# Altium PCB RT_SUPER_C__HOST.pcbdoc
Units mil, origin at the board's own origin, x right, y up, seen from the top; angles counter-clockwise.
Board outline 6000.21 x 6000.21 mil, 4 copper layers (Top Layer, GND-SIG1, GND-SIG2, Bottom Layer), stack 61.156 mil thick; 63 components, 93 nets, 449 pads, 104 vias.
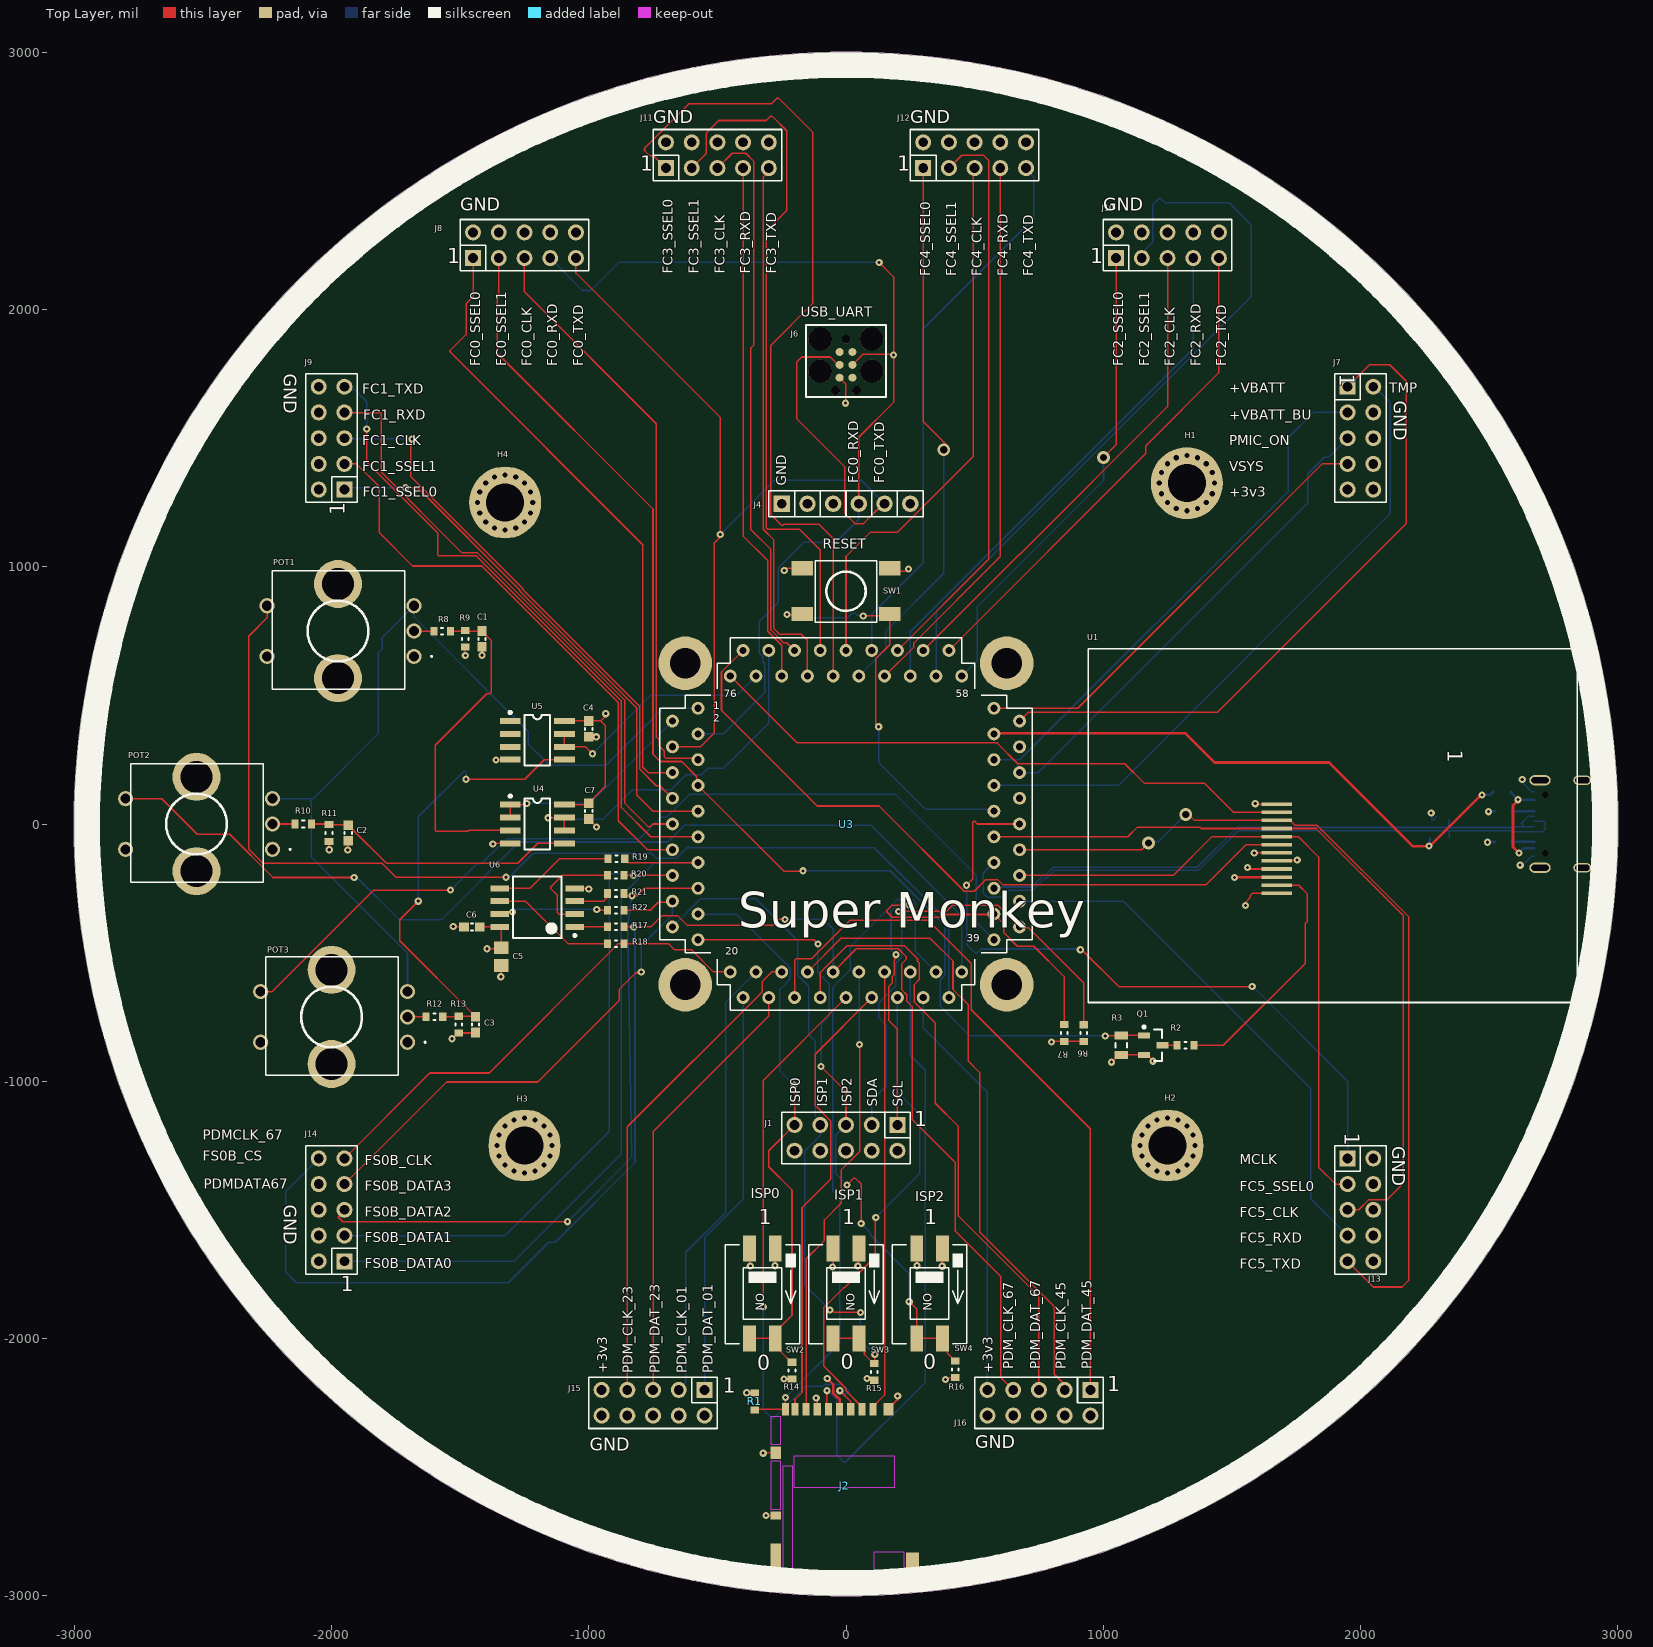
[diagram p0: Top Layer view]
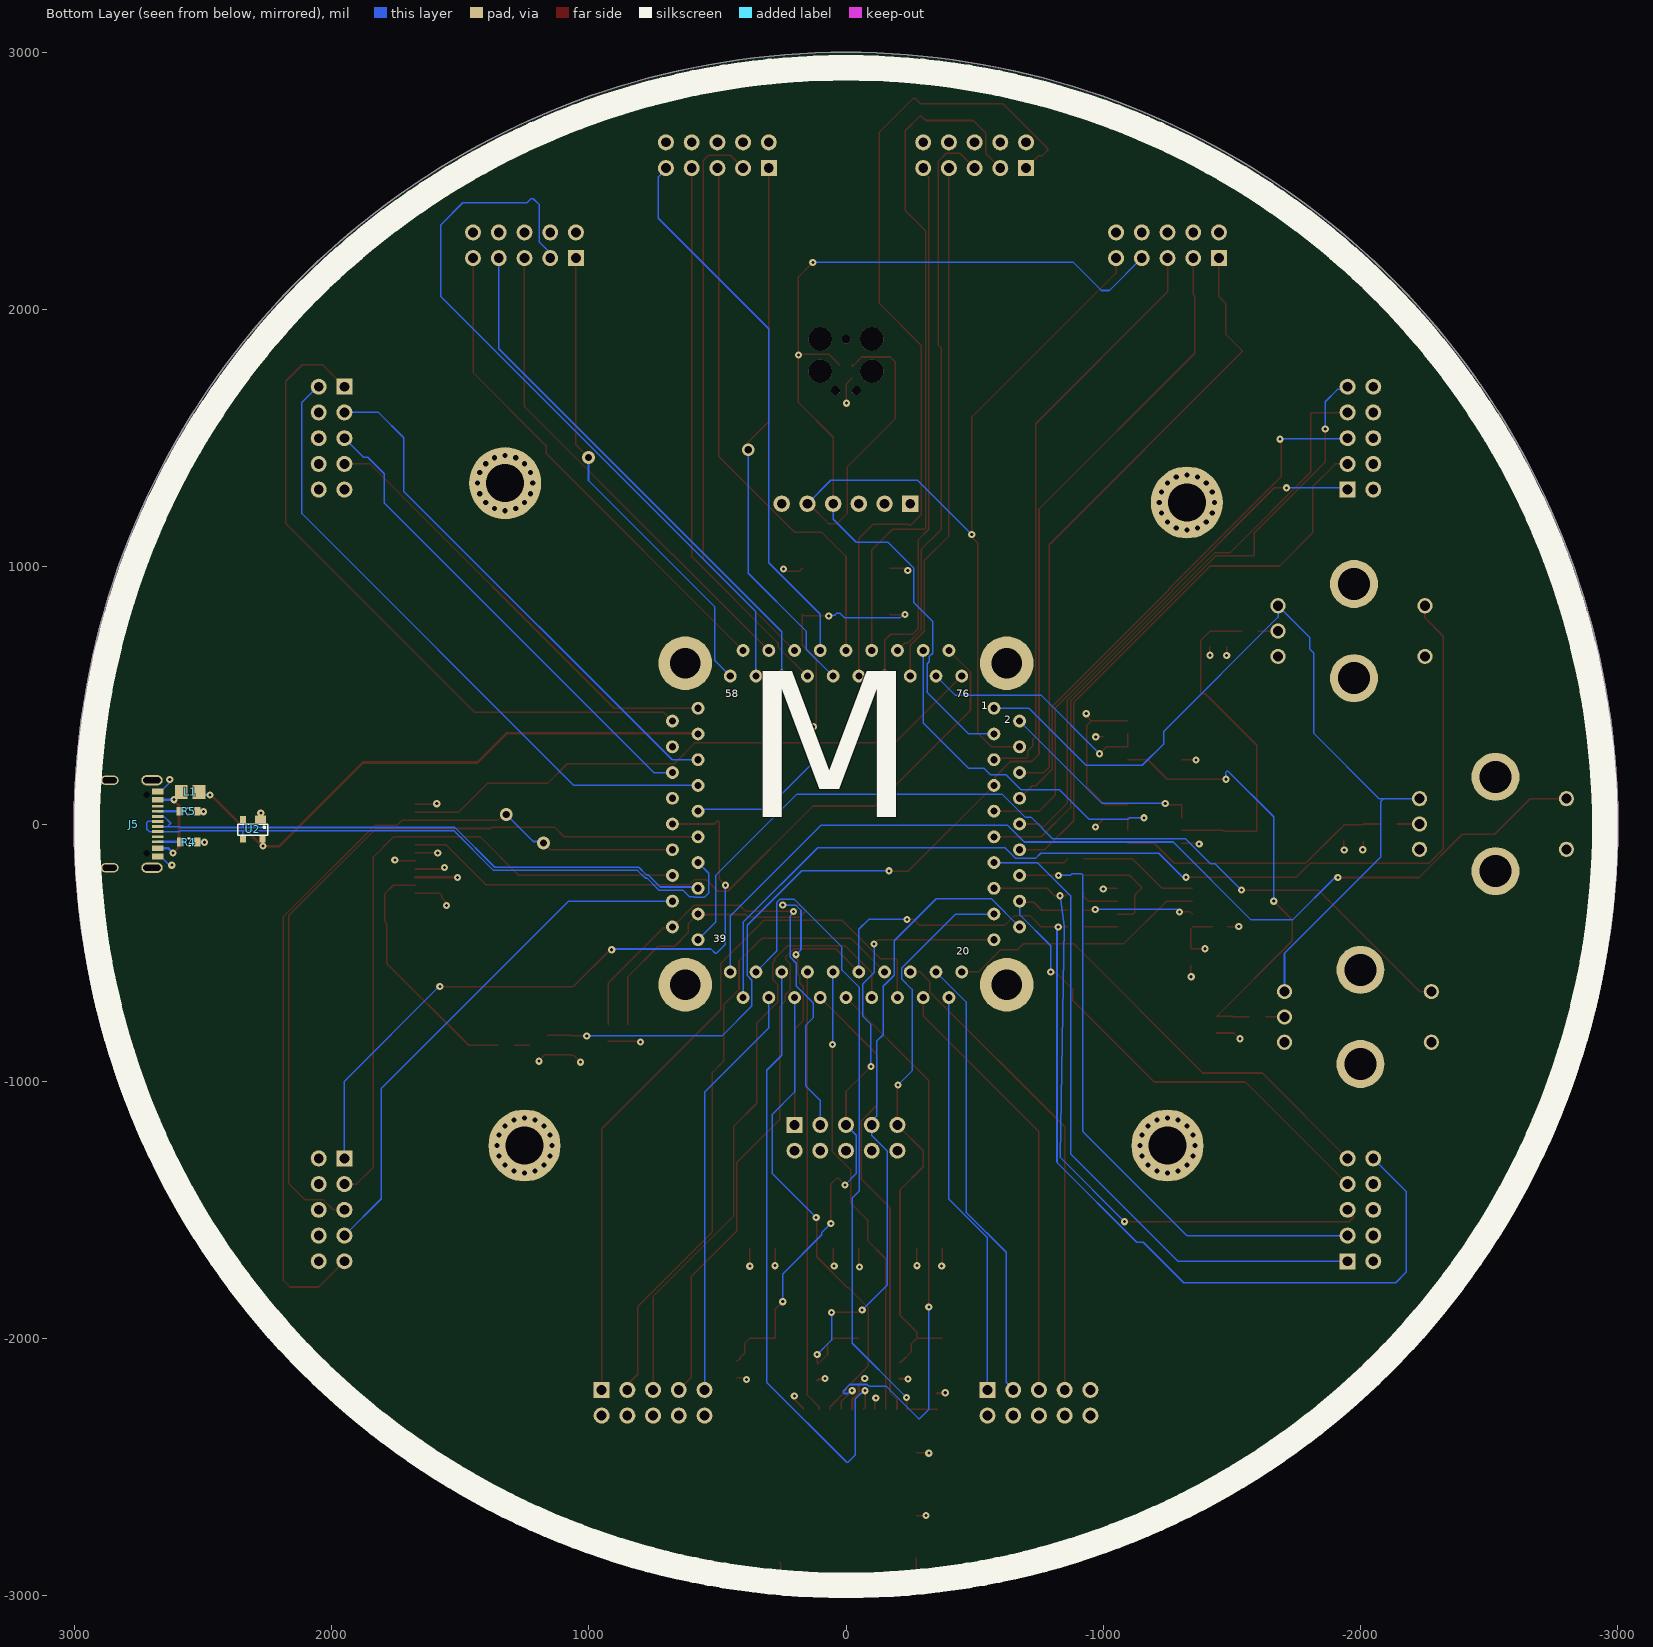
[diagram p1: Bottom Layer view, seen from below]
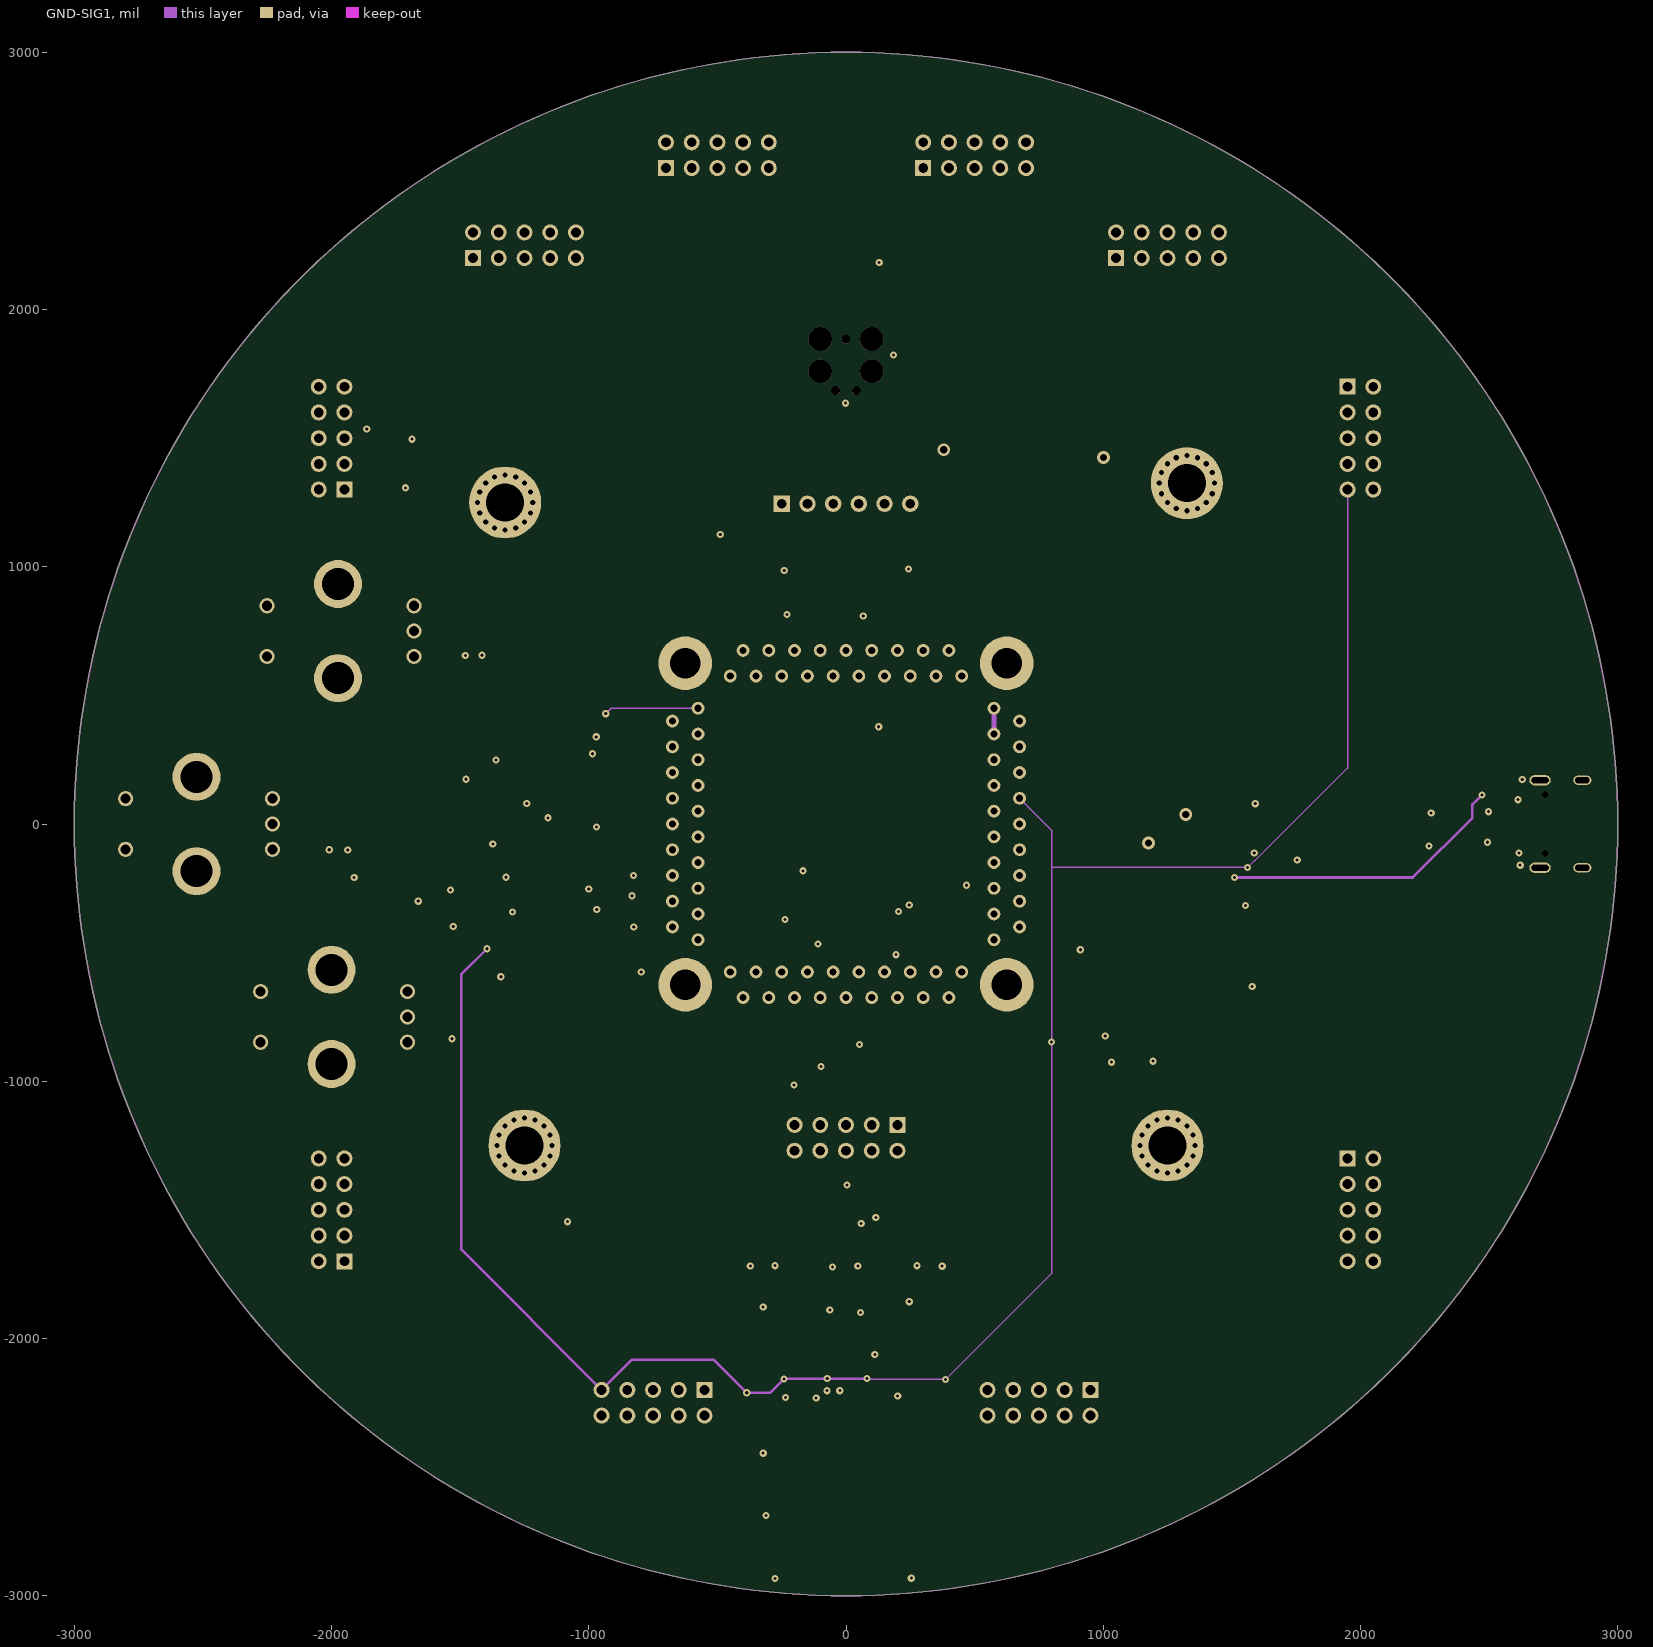
[diagram p2: GND-SIG1]
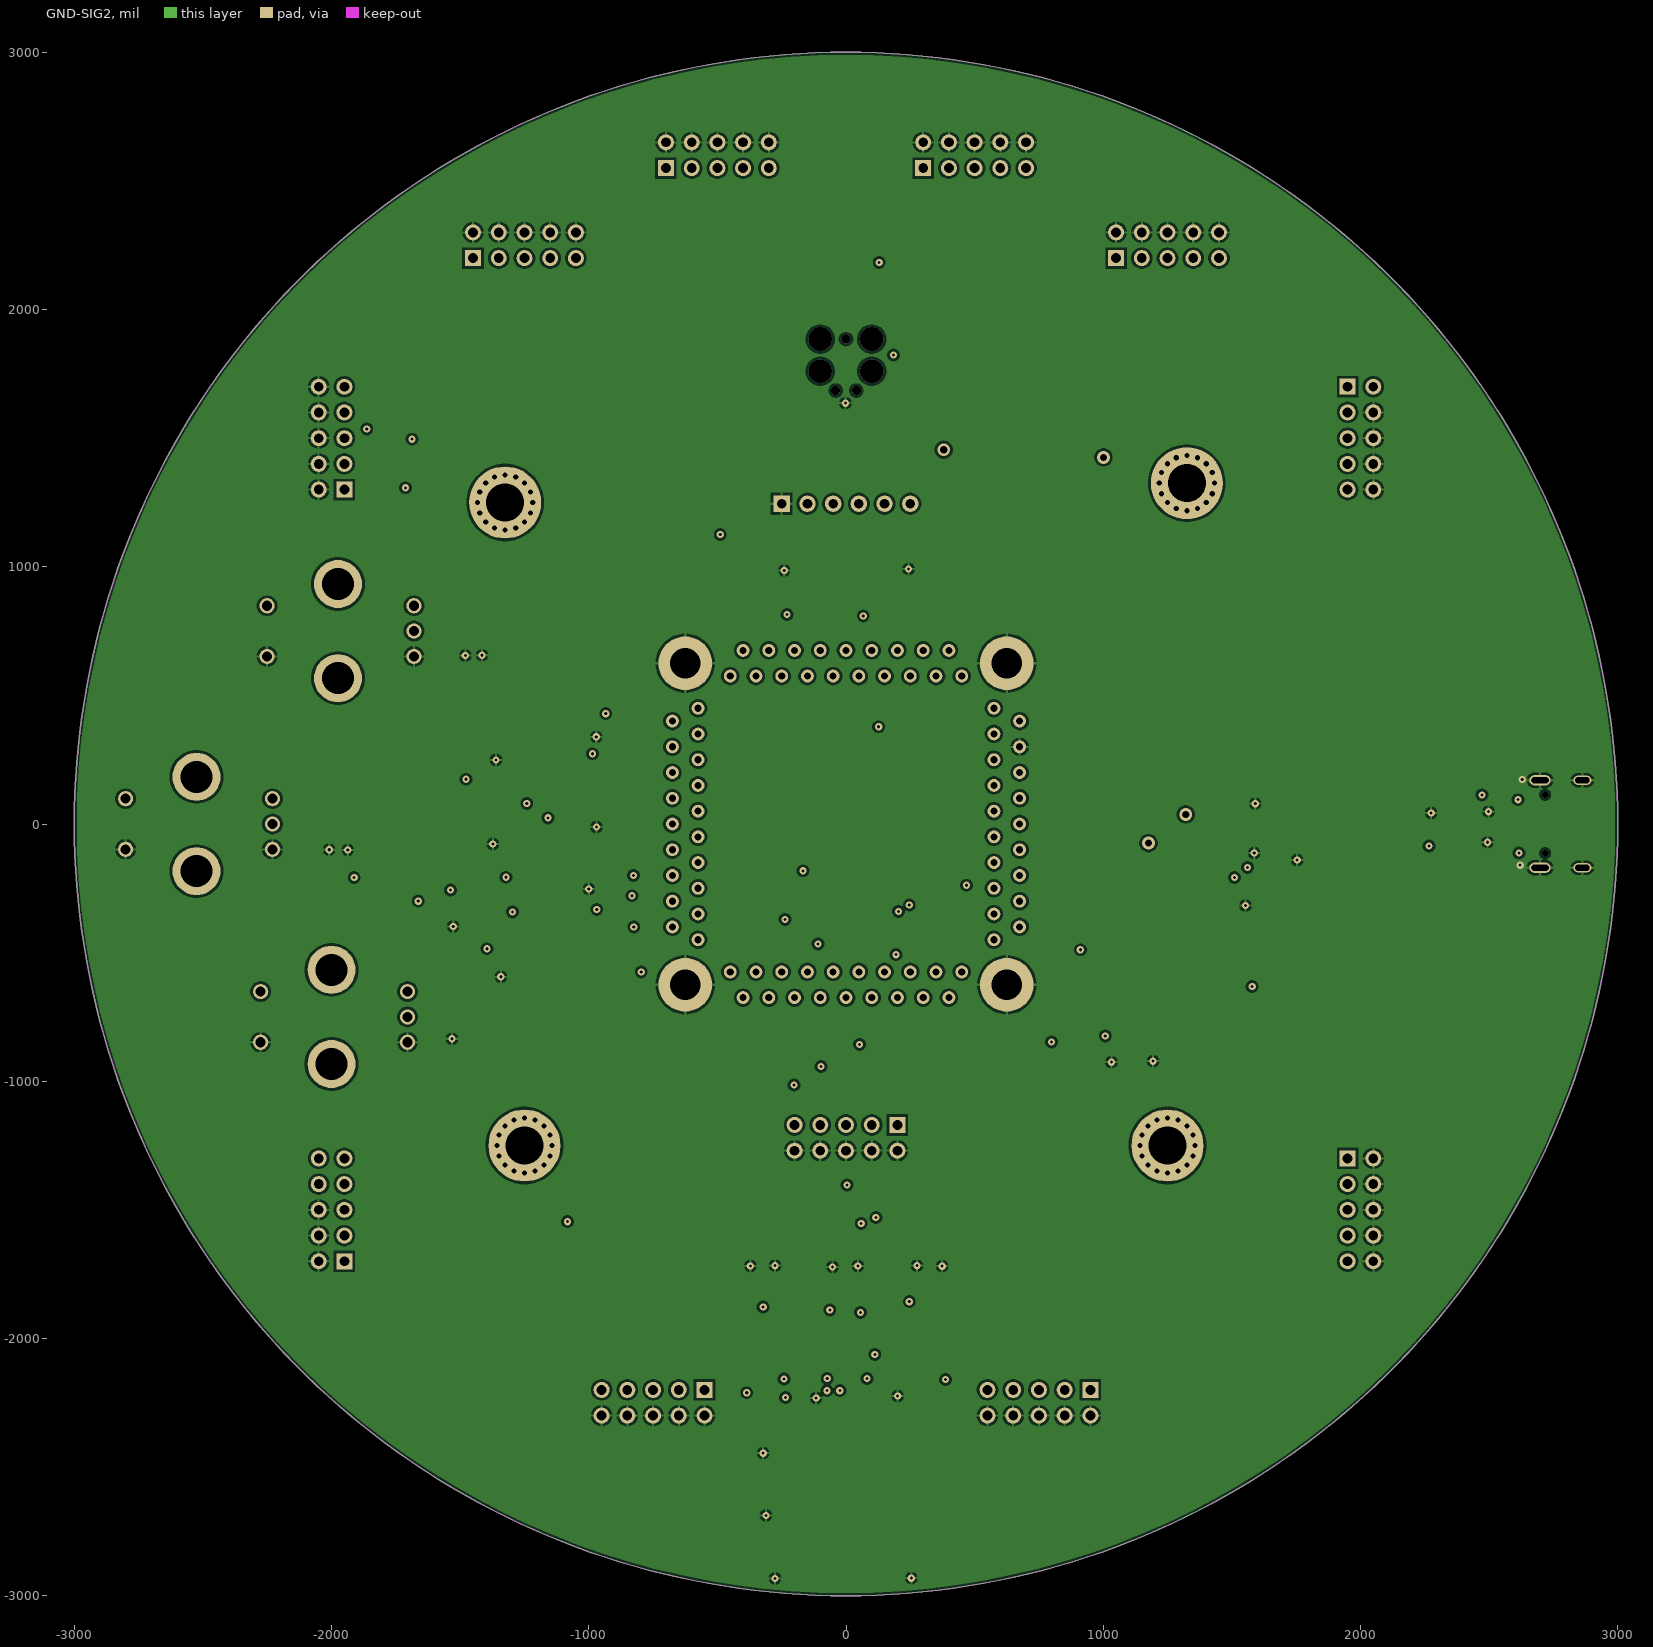
[diagram p3: GND-SIG2]

## Layer stack, top to bottom
Top Solder: solder mask 0.4, Solder Resist, Dk 3.5
Top Layer: signal copper 1.4
Dielectric 2: prepreg 2.8, PP-006, Dk 4.1
GND-SIG1: signal copper 1.378
Dielectric 1: dielectric 50, FR-4, Dk 4.8
GND-SIG2: signal copper 1.378
Dielectric 3: prepreg 2.8, PP-006, Dk 4.1
Bottom Layer: signal copper 1.4
Bottom Solder: solder mask 0.4, Solder Resist, Dk 3.5

## Board outline
-3000.1,0 ccw(c0,0) 0,-3000.1 ccw(c0,0) 3000.1,0 ccw(c0,0) 0,3000.1 ccw(c0,0)

## Design rules (kind name [scope] priority, off if disabled: settings)
Clearance [All] p1: gap=6 ignorepadtopadclearanceinfootprint=FALSE except(10: Arc-Poly Track-Poly SMDPad-Poly THPad-Poly Via-Poly Fill-Poly Poly-Poly)
DiffPairsRouting [All] p1: maxlimit=10 minlimit=6 mostfreqgap=6 toplayer_minwidth=6 toplayer_maxwidth=16 toplayer_prefwidth=6 midlayer1_minwidth=6 midlayer1_maxwidth=16 midlayer1_prefwidth=6 midlayer2_minwidth=6 midlayer2_maxwidth=16 midlayer2_prefwidth=6 bottomlayer_minwidth=6 bottomlayer_maxwidth=16 bottomlayer_prefwidth=6 maxuncoupledlength=500
Height [All] p1: minheight=0 maxheight=2000 prefheight=500
HoleSize [All] p1: absolutevalues=TRUE maxlimit=500 minlimit=1 maxpercent=80.000 minpercent=20.000
PolygonConnect [All] p1: connectstyle=Relief reliefconductorwidth=10 reliefentries=4 polygonreliefangle="90 Angle" airgapwidth=10
RoutingVias [All] p1: holewidth=12 width=28 viastyle="Through Hole" minholewidth=12 minwidth=28 maxholewidth=12 maxwidth=28
SolderMaskExpansion [All] p1: expansion=4 istentingtop=FALSE
Width [All] p1: maxlimit=30 minlimit=6 preferedwidth=6
27 further rules are at their usual default settings.

## Classes and differential pairs
differential pair USB: +USB_P -USB_N

## Components (designator, comment, footprint, x,y, rotation, side; value= is the part's Value field where it differs from the comment)
C1 "0.1µF" C0603_0.90MM_MD -1415,720 r90 top
C2 "0.1µF" C0603_0.90MM_MD -1935,-35 r90 top
C3 "0.1µF" C0603_0.90MM_MD -1440,-780 r90 top
C4 "0.1µF" C0603_0.90MM_MD -1000,370 r90 top
C5 "4.7µF" C0805_1.45MM_MD -1340,-515.55 r90 top
C6 "0.1µF" C0603_0.90MM_MD -1454.49,-400 r0 top
C7 "0.1µF" C0603_0.90MM_MD -1000,50 r90 top
H1 "*" "6-32 X 250" 1325,1325 r180 top value=6-32
H2 "*" "6-32 X 250" 1250,-1250 r180 top value=6-32
H3 "*" "6-32 X 250" -1250,-1250 r180 top value=6-32
H4 "*" "6-32 X 250" -1325,1250 r180 top value=6-32
J1 "HDR_2x5" "HEADER 2x5 .100\"" 0,-1220 r180 top
J2 "DM3AT-SF-PEJM5" DM3AT-SF-PEJM5 -21.06,-2906.89 r0 top
J4 "TSM-106-01-T-SV" 0901200126 0,1245 r0 top
J5 "=Value" 12402012E212A 2965,0 r270 bottom
J6 "TC2030‐CTL‐NL" TC2030 -160,1945 r270 top
J7 "HDR_2x5" "HEADER 2X5 .100\"" 2000,1500 r270 top
J8 "HDR_2x5" "HEADER 2X5 .100\"" -1250,2250 r0 top
J9 "HDR_2x5" "HEADER 2X5 .100\"" -2000,1500 r90 top
J10 "HDR_2x5" "HEADER 2X5 .100\"" 1250,2250 r0 top
J11 "HDR_2x5" "HEADER 2X5 .100\"" -500,2600 r0 top
J12 "HDR_2x5" "HEADER 2X5 .100\"" 500,2600 r0 top
J13 "HDR_2x5" "HEADER 2X5 .100\"" 2000,-1500 r270 top
J14 "HDR_2x5" "HEADER 2X5 .100\"" -2000,-1500 r90 top
J15 "HDR_2x5" "HEADER 2X5 .100\"" -750,-2250 r180 top
J16 "HDR_2x5" "HEADER 2X5 .100\"" 750,-2250 r180 top
L1 "CBC2012T4R7M" C0805_1.45MM_MD 2550,125 r180 bottom
POT1 "PRS11R-425F-S103B1" PRS11R425FS103B1 -1975,750 r90 top
POT2 "PRS11R-425F-S103B1" PRS11R425FS103B1 -2525,0 r90 top
POT3 "PRS11R-425F-S103B1" PRS11R425FS103B1 -2000,-750 r90 top
Q1 "FDV305N" SOT-23 1194.57,-860 r0 top
R1 "100k" R0603_0.55MM_MD -355,-2245 r90 top
R2 "33" R0603_0.55MM_MD 1320,-860 r0 top
R3 "100k" R0805_0.65MM_MD 1070,-860 r270 top value=1k
R4 "5.1k" R0603_0.55MM_MD 2555,-70 r0 bottom
R5 "5.1k" R0603_0.55MM_MD 2556,50 r0 bottom
R6 "2.2k" R0603_0.55MM_MD 925,-813 r90 top
R7 "2.2k" R0603_0.55MM_MD 848,-812.52 r90 top
R8 "0" R0603_0.55MM_MD -1570,750 r0 top
R9 "100k" R0603_0.55MM_MD -1480,720 r90 top
R10 "0" R0603_0.55MM_MD -2110,0 r0 top
R11 "100k" R0603_0.55MM_MD -2010,-35 r90 top
R12 "0" R0603_0.55MM_MD -1600,-750 r0 top
R13 "100k" R0603_0.55MM_MD -1505,-780 r90 top
R14 "1k" R0603_0.55MM_MD -210,-2125 r270 top
R15 "1k" R0603_0.55MM_MD 110,-2130 r270 top
R16 "1k" R0603_0.55MM_MD 425,-2120 r270 top
R17 "0" R0603_0.55MM_MD -895,-400 r180 top
R18 "0" R0603_0.55MM_MD -895,-465 r180 top
R19 "0" R0603_0.55MM_MD -892.52,-135 r180 top
R20 "0" R0603_0.55MM_MD -895,-200 r180 top
R21 "0" R0603_0.55MM_MD -895,-270 r180 top
R22 "0" R0603_0.55MM_MD -895,-335 r180 top
SW1 "FSM4JSMATR" FSM4JSMA 0,905 r270 top
SW2 "SWITCH DIP DPST 1POS SMT" "CTS 1-POS DPST" -325,-1825 r180 top value=204-211ST
SW3 "SWITCH DIP DPST 1POS SMT" "CTS 1-POS DPST" 0,-1825 r180 top value=204-211ST
SW4 "SWITCH DIP DPST 1POS SMT" "CTS 1-POS DPST" 325,-1825 r180 top value=204-211ST
U1 "ER-TFT1.54-1" ER-TFT020-2 1675,-96.26 r270 top
U2 "PRTR5V0U2X,215" SOT143B 2276.87,16.8 r0 bottom
U3 "=Value" RT_SUPER_C 0,0 r0 top
U4 "MCP6002-I/SN" "SOIC 8" -1200,0 r270 top
U5 "MCP6002-I/SN" "SOIC 8" -1200,325 r270 top
U6 "W25Q64JVSIM" SOIC127P830X200-8L -1200,-325 r180 top

## Footprints (in the part's own frame and the unit in brackets; to place one, negate y for a bottom-side part, rotate by r counter-clockwise, add the part's x,y. Pads: shape width x height; smd on the part's side, far side on the other; paste and mask are expansions set on the pad)
"6-32 X 250" [mil] "6-32 X 250 Length Philip Pan Head Machine Screw"
  round 30 hole 20: 1(-107,0) 1(-98.86,-40.95) 1(-98.86,40.95) 1(-75.66,75.66) 1(-75.66,-75.66) 1(-40.95,98.86) 1(-40.95,-98.86) 1(0,107) 1(0,-107) 1(40.95,98.86) 1(40.95,-98.86) 1(75.66,75.66) 1(75.66,-75.66) 1(98.86,-40.95) 1(98.86,40.95) 1(107,0)
  round 280 hole 148: 1(0,0)
  body extent -135,-135 135,135, height 93
12402012E212A [mm] "USB-C  2.0"
  round 0 hole 0.65: 71(2.89,6.28) ALIGN1(-2.89,6.28)
  rect 0.575x1.15 smd: A1B12(-3.2,7.355) A4B9(-2.4,7.355) B1A12(3.2,7.355) B4A9(2.4,7.355)
  rect 0.275x1.15 smd: A5(-1.25,7.355) A6(-0.25,7.355) A7(0.25,7.355) A8(1.25,7.355) B5(1.75,7.355) B6(0.75,7.355) B7(-0.75,7.355) B8(-1.75,7.355)
  oval 1x2.1 hole 0.6 slot 1.7 at 90 deg: M1(-4.32,6.78) M2(4.32,6.78)
  oval 0.9x1.8 hole 0.6 slot 1.4 at 90 deg: M3(-4.32,2.6) M4(4.32,2.6)
  silkscreen extent -4.47,-0.03 4.47,1.52, body extent -4.47,-0.02 4.47,7.58, height 3.27
0901200126 [mil] "CONN HEADER 6POS .100\" STR TIN"
  rect 64x64 hole 38: 1(-250,0)
  round 64 hole 38: 2(-150,0) 3(-50,0) 4(50,0) 5(150,0) 6(250,0)
  silkscreen extent -300,-50 300,50, body extent -305,-50 300,50, height 330
C0603_0.90MM_MD [mm] "Capacitor 0603 - Medium Density"
  rect 0.95x0.9 smd: 1(-0.775,0) 2(0.775,0)
  silkscreen extent -0.1,-0.35 0.1,0.35, body extent -0.8,-0.4 0.8,0.4, height 0.9
C0805_1.45MM_MD [mm] "Capacitor - 0805 - Medium Density"
  rect 1.25x1.4 smd: 1(-0.875,0) 2(0.875,0)
  body extent -1,-0.62 1,0.63, height 1.45
"CTS 1-POS DPST" [mil] "CTS 1-POS DPST"
  rect 50x100 smd: 1(-50,175) 2(-50,-175) 3(50,175) 4(50,-175)
  silkscreen extent -145,-190 145,195, body extent -143,-204 144,206, height 395
DM3AT-SF-PEJM5 [mm] "Hirose DM3AT-SF-PEJM5 uSD connector - Normal Mount"
  rect 0.7x1.2 smd: 1(3.2,16.05) 2(2.1,16.05) 3(1,16.05) 4(-0.1,16.05) 5(-1.2,16.05) 6(-2.3,16.05) 7(-3.4,16.05) 8(-4.5,16.05) CDB(-5.45,16.05)
  rect 1x0.8 smd: CDA(-6.4,5.55)
  rect 1x2.8 smd: M(-6.4,1.4)
  rect 1x1.2 smd: M(-6.4,11.75) M(4.75,16.05)
  rect 1.3x1.9 smd: M(7.1,0.95)
  Top Layer keep-out region: -4.648,8.35 5.325,8.35 5.325,11.4 -4.648,11.4
  Top Layer keep-out region: -5.7,-0.101 -4.7,-0.101 -4.7,10.399 -5.7,10.399
  Top Layer keep-out region: -6.9,6.171 -5.9,6.171 -5.9,10.921 -6.9,10.921
  Top Layer keep-out region: -6.9,12.573 -5.9,12.573 -5.9,15.325 -6.9,15.325
  Top Layer keep-out region: 3.275,0 6.275,0 6.275,1.9 3.275,1.9
  body extent -6.49,0 7.36,16.15, height 1.68
ER-TFT020-2 [mm]
  rect 0.35x3 smd: 1(4.4,0) 2(3.6,0) 3(2.8,0) 4(2,0) 5(1.2,0) 6(0.4,0) 7(-0.4,0) 8(-1.2,0) 9(-2,0) 10(-2.8,0) 11(-3.6,0) 12(-4.4,0)
  silkscreen extent -19.74,-18.62 15.18,29.64
FSM4JSMA [mil] "SWITCH TACTILE SPST-NO 0.05A 12V"
  rect 55x85 smd: A(-89,170) A(-89,-170) B(89,170) B(89,-170)
  silkscreen extent -119,-120 121,120, body extent -118,-198 118,196, height 200
"HEADER 2x5 .100\"" [mil]
  rect 62x62 hole 38: 1(-200,-50)
  round 62 hole 38: 2(-200,50) 3(-100,-50) 4(-100,50) 5(0,-50) 6(0,50) 7(100,-50) 8(100,50) 9(200,-50) 10(200,50)
  silkscreen extent -250,-100 250,100
"HEADER 2X5 .100\"" [mil]
  rect 62x62 hole 38: 1(-200,-50)
  round 62 hole 38: 2(-200,50) 3(-100,-50) 4(-100,50) 5(0,-50) 6(0,50) 7(100,-50) 8(100,50) 9(200,-50) 10(200,50)
  silkscreen extent -250,-100 250,100
PRS11R425FS103B1 [mm]
  round 1.5 hole 1: 1(-2.5,-7.5) 2(0,-7.5) 3(2.5,-7.5) 4(-2.5,7) 5(2.5,7)
  round 4.74 hole 3.16: MH1(-4.65,0) MH2(4.65,0)
  silkscreen extent -5.75,-9.3 5.95,6.49, body extent -5.75,-6.61 5.95,6.49, height 31.8
R0603_0.55MM_MD [mm] "Resistor 0603 Medium Density"
  rect 0.7x0.85 smd: 1(-0.825,0) 2(0.825,0)
  silkscreen extent -0.1,-0.33 0.1,0.33, body extent -0.8,-0.4 0.8,0.4, height 0.55
R0805_0.65MM_MD [mm] "Resistor 0805 Medium Density"
  rect 0.8x1.3 smd: 1(-0.975,0) 2(0.975,0)
  silkscreen extent -0.2,-0.55 0.2,0.55, body extent -1,-0.63 1,0.63, height 0.65